# Altium PCB PCB1.PcbDoc (part 2 of 5)
Units mm, origin at the board's own origin, x right, y up, seen from the top; angles counter-clockwise.
Board outline 85 x 56 mm, 6 copper layers (Top Layer, GND, SIG_PWR, Layer 4, PWR, Bottom Layer), stack 1.549 mm thick; 170 components, 334 nets, 1426 pads, 803 vias.
Unrouted connection lines stored in the file: 7.
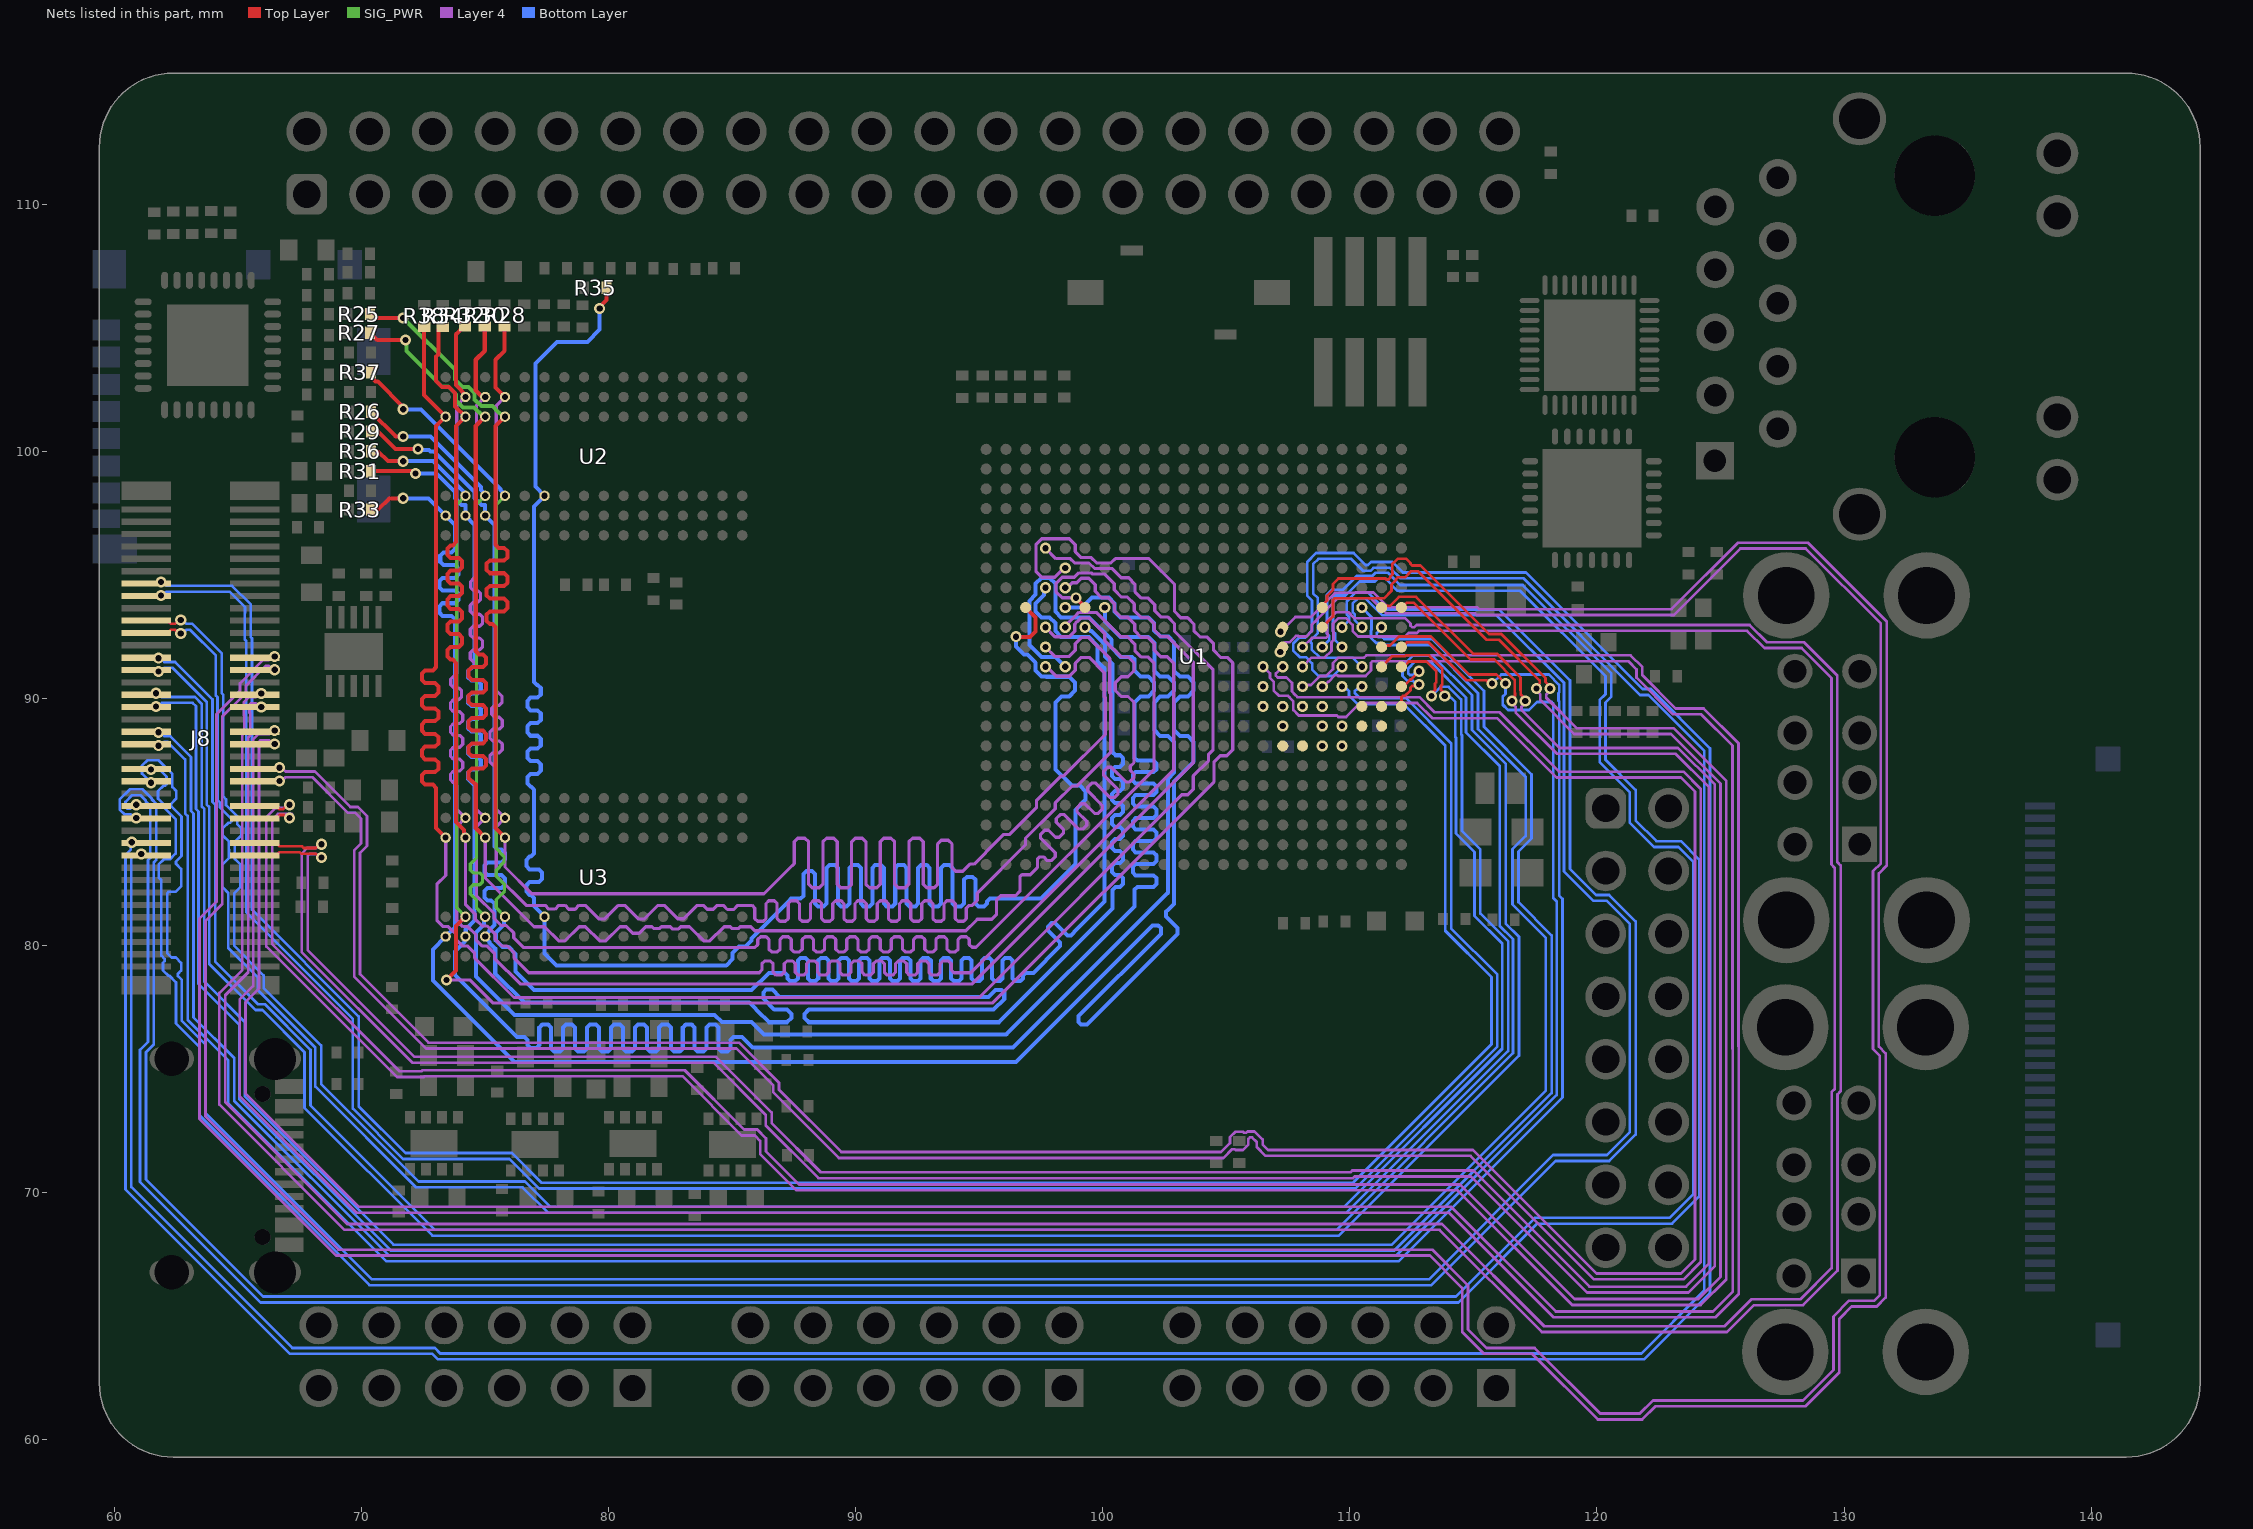
[diagram p6: the nets of this part, all layers, seen from the top]

## Via types
v1: diameter 0.45, hole 0.25, Top Layer to Bottom Layer, tented both sides, 575 vias
v2: diameter 0.4, hole 0.25, Top Layer to Bottom Layer, tented both sides, 212 vias
v3: diameter 0.5, hole 0.3, Top Layer to Bottom Layer, tented both sides, 16 vias

## Nets (pads, with @x,y where several pads share a name; then routed paths per layer and width w, separated by ;. In a path a pad name is that pad's centre, name@x,y a point inside that pad or via, vN(x,y) a via of type N, cw(c..) or ccw(c..) an arc to the next point about the centre after c; other vN are vias at no path point) (continued)
BTB_34_L3_N: J8.30 U1.L16 | length 152.2
  Layer 4 w0.11: v1(66.5,91.16) 66.417,91.16 66.266,91.311 66.128,91.311 65.332,90.515 65.332,90.215 64.38,89.263 64.38,81.68 63.7,81 63.7,73.085 69.085,67.7 113.335,67.7 114.783,66.252 114.783,64.476 115.539,63.72 117.48,63.72 120.132,61.068 121.732,61.068 122.265,61.6 128.34,61.6 129.568,62.828 129.568,64.998 130.207,65.637 131.222,65.637 131.445,65.86 131.445,75.54 131.168,75.817 131.168,83.013 131.485,83.33 131.485,93.025 128.445,96.065 125.8,96.065 123.114,93.379 115.135,93.379 115.062,93.451 111.46,93.451 110.86,94.051 110.335,94.051 110.321,94.037 109.503,94.037 108.666,93.201 108.666,93.185 108.458,92.976 108.458,92.728 108.241,92.511 107.935,92.511 107.91,92.536 107.819,92.536 107.555,92.272 107.366,92.272 107.366,92.151 107.188,91.973 v1(107.188,91.881)
BTB_34_L3_P: J8.28 U1.K16 | length 153.3
  Layer 4 w0.11: v1(66.5,91.7) 66.417,91.7 66.266,91.548 66.03,91.548 65.095,90.613 65.095,90.313 64.143,89.361 64.143,81.778 63.463,81.098 63.463,72.987 68.987,67.463 113.237,67.463 114.546,66.154 114.546,64.378 115.441,63.483 117.382,63.483 120.034,60.831 121.831,60.831 122.363,61.363 128.438,61.363 129.805,62.73 129.805,64.9 130.305,65.4 131.32,65.4 131.682,65.762 131.682,75.638 131.405,75.915 131.405,82.915 131.722,83.232 131.722,93.123 128.543,96.302 125.702,96.302 123.016,93.616 115.233,93.616 115.161,93.688 111.558,93.688 110.958,94.288 110.237,94.288 110.223,94.274 109.405,94.274 108.429,93.299 107.799,93.299 v1(107.2,92.7)
BTB_34_L4_N: J8.36 U1.M17 | length 135
  Layer 4 w0.11: v1(65.959,89.66) 65.876,89.66 65.724,89.812 65.547,89.812 65.482,89.747 65.482,89.426 65.507,89.401 65.507,88.504 65.431,88.428 65.431,78.924 64.5,77.993 64.5,73.665 69.428,68.737 113.732,68.737 117.869,64.6 125.165,64.6 126.257,65.692 128.241,65.692 129.498,66.949 129.498,74.082 129.623,74.207 129.623,83.147 129.487,83.283 129.487,90.832 128.281,92.038 126.777,92.038 126.079,92.736 112.801,92.736 112.712,92.647 112.377,92.647 112.241,92.511 110.335,92.511 110.118,92.728 110.118,92.975 109.841,93.251 109.535,93.251 109.318,93.035 109.318,92.728 109.341,92.705 109.341,92.358 109.258,92.275 109.258,91.928 108.981,91.651 108.458,91.651 v1(108.088,91.281)
BTB_34_L4_P: J8.34 U1.L17 | length 135.9
  Layer 4 w0.11: v1(65.959,90.2) 65.876,90.2 65.724,90.049 65.449,90.049 65.245,89.845 65.245,89.328 65.27,89.303 65.27,88.602 65.194,88.526 65.194,79.022 64.263,78.091 64.263,73.566 69.329,68.5 113.634,68.5 117.771,64.363 125.263,64.363 126.355,65.455 128.339,65.455 129.735,66.851 129.735,73.984 129.86,74.109 129.86,83.245 129.724,83.381 129.724,90.93 128.379,92.275 126.875,92.275 126.177,92.973 112.703,92.973 112.614,92.884 112.522,92.884 112.458,92.948 112.458,93.035 112.241,93.251 110.176,93.251 109.939,93.488 109.437,93.488 109.081,93.133 109.081,92.63 109.104,92.607 109.104,92.516 109.04,92.451 108.464,92.451 108.094,92.081 v1(108.088,92.081)
BTB_34_L5_N: J8.42 U1.N18 | length 120.3
  Layer 4 w0.11: v1(66.5,88.16) 66.417,88.16 66.266,88.312 65.931,88.312 65.867,88.247 65.867,78.267 65.32,77.72 65.32,74.02 69.91,69.43 114.105,69.43 118.335,65.2 124.7,65.2 125.5,66 125.5,75.805 125.488,75.817 125.488,88.089 124.22,89.357 123.085,89.357 121.599,90.843 121.599,91.178 121.267,91.51 110.926,91.51 110.858,91.442 110.858,91.128 110.641,90.911 109.535,90.911 109.501,90.945 109.41,90.945 109.139,90.674 109.122,90.674 108.929,90.481 v1(108.888,90.481)
BTB_34_L5_P: J8.40 U1.N17 | length 122.7
  Layer 4 w0.11: v1(66.5,88.7) 66.417,88.7 66.266,88.549 65.833,88.549 65.63,88.345 65.63,78.365 65.083,77.818 65.083,73.922 69.812,69.193 114.007,69.193 118.237,64.963 124.798,64.963 125.737,65.902 125.737,75.903 125.725,75.915 125.725,88.187 124.318,89.594 123.183,89.594 121.836,90.941 121.836,91.276 121.365,91.747 110.677,91.747 110.581,91.651 109.535,91.651 109.318,91.435 109.318,91.188 109.041,90.911 108.795,90.911 108.43,90.546 108.153,90.546 v1(108.088,90.481)
BTB_34_L6_N: J8.48 U1.M16 | length 110.5
  Layer 4 w0.11: v1(66.7,86.66) 66.783,86.66 66.934,86.812 68.026,86.812 69.465,85.373 69.765,85.373 69.995,85.143 69.995,84.128 69.718,83.851 69.718,78.747 72.627,75.838 85.185,75.838 86.67,74.353 86.67,74.07 89.329,71.411 104.892,71.411 105.246,71.765 105.337,71.765 105.372,71.73 105.678,71.73 105.895,71.947 105.895,72.181 105.959,72.245 106.051,72.245 106.237,72.059 106.237,71.849 106.592,71.493 114.89,71.493 119.883,66.5 123.5,66.5 124.2,67.2 124.2,86.335 123.498,87.037 118.463,87.037 116.059,89.441 113.435,89.441 112.825,90.051 107.884,90.051 107.794,90.142 107.794,90.145 107.658,90.281 107.658,90.635 107.441,90.851 107.083,90.851 107.006,90.928 107.006,91.019 107.269,91.281 v1(107.288,91.281)
BTB_34_L6_P: J8.46 U1.M15 | length 110.8
  Layer 4 w0.11: v1(66.7,87.2) 66.783,87.2 66.934,87.049 68.125,87.049 69.563,85.61 69.863,85.61 70.232,85.241 70.232,84.03 69.955,83.753 69.955,78.845 72.725,76.075 85.283,76.075 86.907,74.451 86.907,74.168 89.427,71.648 104.793,71.648 105.155,72.01 105.155,72.253 105.372,72.47 105.678,72.47 105.718,72.43 105.809,72.43 105.861,72.482 106.149,72.482 106.474,72.157 106.474,71.947 106.691,71.73 114.988,71.73 119.981,66.737 123.402,66.737 123.963,67.298 123.963,86.237 123.4,86.8 118.365,86.8 115.961,89.204 113.337,89.204 112.727,89.814 110.414,89.814 109.851,89.251 109.535,89.251 109.475,89.311 107.935,89.311 107.718,89.528 107.718,89.882 107.557,90.043 107.557,90.047 107.492,90.111 107.135,90.111 106.918,90.328 106.918,90.681 106.769,90.83 106.769,91.019 106.58,91.209 106.58,91.281 v1(106.488,91.281)
BTB_34_L7_N: J8.54 U1.K18 | length 114.4
  Top Layer w0.11: J8.54@65.7,85.15 66.575,85.15 66.707,85.282 66.886,85.282 67.008,85.16 v1(67.1,85.16) ; U1.K18@108.888,92.881 109.318,93.311 109.318,93.989 109.382,94.054 111.383,94.054 111.688,94.358 111.688,94.604 111.87,94.786 111.87,94.827 111.945,94.901 112.231,94.901 112.476,95.146 112.76,95.146 115.531,92.375 116.031,92.375 117.68,90.725 117.68,90.613 117.56,90.492 v1(117.56,90.4)
  Layer 4 w0.11: v1@67.2,85.33 66.63,85.33 66.4,85.1 66.4,80.065 71.547,74.918 72.434,74.918 72.474,74.957 83.093,74.957 85.493,72.557 86.026,72.557 86.382,72.201 86.382,71.668 87.713,70.337 114.463,70.337 119.1,65.7 124.1,65.7 125,66.6 125,86.563 123,88.563 119.08,88.563 117.712,89.932 117.712,90.166 117.56,90.317 v1(117.56,90.4)
BTB_34_L7_P: J8.52 U1.J18 | length 116.1
  Top Layer w0.11: J8.52@65.7,85.65 66.575,85.65 66.707,85.518 66.845,85.518 67.026,85.7 v1(67.1,85.7) ; U1.J18@108.888,93.681 108.888,93.773 109.081,93.967 109.081,94.152 109.318,94.388 109.318,94.634 109.535,94.851 111.441,94.851 111.475,94.817 111.566,94.817 111.633,94.884 111.633,94.925 111.732,95.023 111.732,95.114 111.718,95.128 111.718,95.434 111.935,95.651 112.287,95.651 112.458,95.48 112.458,95.447 112.522,95.383 112.858,95.383 115.629,92.612 116.129,92.612 117.917,90.823 117.917,90.666 118.1,90.483 v1(118.1,90.4)
  Layer 4 w0.11: v1@67.2,85.637 66.945,85.637 66.875,85.567 66.532,85.567 66.163,85.198 66.163,79.967 71.449,74.681 72.532,74.681 72.572,74.72 82.995,74.72 85.395,72.32 85.928,72.32 86.145,72.103 86.145,71.57 87.615,70.1 114.365,70.1 119.002,65.463 124.198,65.463 125.237,66.502 125.237,86.661 123.098,88.8 119.179,88.8 117.949,90.03 117.949,90.166 118.1,90.317 v1(118.1,90.4)
BTB_34_L8_N: J8.60 U1.J22 | length 106.1
  Top Layer w0.11: J8.60@65.7,83.65 66.575,83.65 66.707,83.782 67.508,83.782 67.578,83.712 68.166,83.712 68.317,83.56 v1(68.4,83.56) ; U1.J22@112.088,93.681 112.129,93.681 112.322,93.875 112.585,93.875 114.885,91.575 115.848,91.575 116.67,90.753 116.67,90.236 116.68,90.225 116.68,90.113 116.56,89.992 v1(116.56,89.9)
  Layer 4 w0.11: v1(68.4,83.56) 68.317,83.56 68.166,83.711 67.913,83.711 67.837,83.636 67.837,79.828 72.165,75.5 84.358,75.5 86.607,73.251 86.607,72.818 88.595,70.83 110.033,70.83 110.102,70.899 115.001,70.899 119.7,66.2 123.6,66.2 124.532,67.132 124.532,86.413 123.182,87.763 118.38,87.763 116.711,89.432 116.711,89.666 116.56,89.817 v1(116.56,89.9)
BTB_34_L8_P: J8.58 U1.J21 | length 108.6
  Top Layer w0.11: J8.58@65.7,84.15 66.575,84.15 66.707,84.018 67.606,84.018 67.676,83.948 68.166,83.948 68.317,84.1 v1(68.4,84.1) ; U1.J21@111.288,93.681 111.353,93.746 111.63,93.746 111.995,94.111 112.683,94.111 114.983,91.812 115.946,91.812 116.907,90.851 116.907,90.334 116.917,90.323 116.917,90.166 117.1,89.983 v1(117.1,89.9)
  Layer 4 w0.11: v1(68.4,84.1) 68.317,84.1 68.166,83.948 67.815,83.948 67.6,83.734 67.6,79.73 72.067,75.263 84.26,75.263 86.37,73.153 86.37,72.72 88.497,70.593 110.131,70.593 110.2,70.662 114.902,70.662 119.602,65.963 123.698,65.963 124.769,67.034 124.769,86.511 123.28,88 118.478,88 116.948,89.53 116.948,89.666 117.1,89.817 v1(117.1,89.9)
BTB_34_L9_N: J8.35 U1.K21 | length 100.1
  Bottom Layer w0.11: v1(61.7,89.67) 61.783,89.67 61.934,89.822 63.178,89.822 63.313,89.687 63.313,85.532 63.418,85.427 63.418,78.447 65.063,76.802 65.063,73.802 71.202,67.663 111.798,67.663 118.169,74.035 118.169,80.414 116.822,81.76 116.822,83.806 117.351,84.335 117.351,86.931 115.428,88.855 115.428,90.309 113.337,92.4 111.4,92.4 111.322,92.478 111.169,92.478 111.095,92.552 111.095,92.647 111.288,92.84 v1(111.288,92.881)
BTB_34_L9_P: J8.33 U1.J20 | length 100.7
  Bottom Layer w0.11: v1(61.7,90.21) 61.783,90.21 61.934,90.058 63.276,90.058 63.55,89.785 63.55,89.548 63.55,85.63 63.655,85.525 63.655,78.545 65.3,76.9 65.3,73.9 71.3,67.9 111.7,67.9 117.933,74.133 117.933,80.315 116.586,81.662 116.586,83.904 117.115,84.433 117.115,86.833 115.191,88.757 115.191,90.211 113.239,92.163 111.302,92.163 111.224,92.241 111.071,92.241 110.858,92.454 110.858,92.745 110.882,92.769 110.882,93.287 v1(110.488,93.681)
BTB_34_L10_N: J8.41 U1.L22 | length 99.7
  Top Layer w0.11: U1.L22@112.088,92.081 112.129,92.081 112.322,92.275 113.191,92.275 114.732,90.733 115.535,90.733 115.668,90.6 v1(115.76,90.6)
  Bottom Layer w0.11: v1(61.8,88.09) 61.883,88.09 62.034,88.242 62.171,88.242 62.877,87.537 62.877,85.351 62.981,85.246 62.981,77.001 64.627,75.356 64.627,73.621 71.021,67.227 111.979,67.227 118.606,73.854 118.606,81.893 118.47,82.029 118.47,89.889 118.446,89.913 118.446,90.223 118.47,90.247 118.47,90.553 118.053,90.97 116.13,90.97 v1(115.76,90.6)
BTB_34_L10_P: J8.39 U1.L21 | length 100.3
  Top Layer w0.11: U1.L21@111.288,92.081 111.353,92.146 111.63,92.146 111.995,92.511 113.289,92.511 114.83,90.97 115.93,90.97 116.217,90.683 116.3,90.683 v1(116.3,90.6)
  Bottom Layer w0.11: v1(61.8,88.63) 61.883,88.63 62.034,88.478 62.27,88.478 63.113,87.635 63.113,85.449 63.218,85.344 63.218,77.099 64.864,75.454 64.864,73.719 71.119,67.464 111.881,67.464 118.369,73.952 118.369,81.795 118.233,81.931 118.233,89.791 118.169,89.855 117.578,89.855 117.253,89.53 116.407,89.53 116.19,89.747 116.19,90.072 116.3,90.182 v1(116.3,90.6)
BTB_34_L11_N: J8.47 U1.K20 | length 111.5
  Bottom Layer w0.11: v1(61.5,86.59) 61.13,86.96 61.13,87.283 61.347,87.5 61.802,87.5 62.362,86.94 62.362,86.41 62.519,86.253 62.519,85.947 62.305,85.733 62.305,85.642 62.731,85.216 62.731,83.625 62.509,83.404 62.509,83.313 62.719,83.103 62.719,82.397 62.503,82.181 62.214,82.181 62.149,82.117 62.149,79.698 62.329,79.519 62.503,79.519 62.719,79.303 62.719,78.997 62.584,78.863 62.584,78.772 62.744,78.612 62.744,76.956 63.7,76 63.7,73.235 70.435,66.5 113.2,66.5 118.227,71.527 120.398,71.527 121.33,72.458 121.33,80.882 120.398,81.813 119.86,81.813 118.67,83.004 118.67,90.636 115.942,93.363 111.329,93.363 110.641,94.051 110.335,94.051 110.118,93.834 110.118,93.494 110.206,93.406 110.206,93.163 v1(110.488,92.881)
BTB_34_L11_P: J8.45 U1.K19 | length 111.2
  Bottom Layer w0.11: v1(61.5,87.13) 61.512,87.142 61.825,87.142 62.125,86.842 62.125,86.534 62.059,86.469 61.997,86.469 61.781,86.253 61.781,85.947 62.068,85.661 62.068,85.544 62.494,85.118 62.494,83.723 62.264,83.494 62.022,83.494 61.806,83.278 61.806,82.751 61.913,82.644 61.913,79.6 62.05,79.463 62.05,79.372 61.981,79.303 61.981,78.997 62.197,78.781 62.24,78.781 62.507,78.514 62.507,76.858 63.463,75.902 63.463,73.137 70.337,66.263 113.298,66.263 118.325,71.29 120.496,71.29 121.567,72.36 121.567,80.98 120.496,82.05 119.958,82.05 118.906,83.102 118.906,90.734 116.04,93.6 111.427,93.6 110.739,94.288 110.237,94.288 109.881,93.933 109.881,93.396 109.97,93.308 109.97,93.163 v1(109.688,92.881)
BTB_34_L12_N: J8.53 U1.L19 | length 123.1
  Bottom Layer w0.11: v1(60.9,85.16) 60.817,85.16 60.666,85.312 60.433,85.312 60.23,85.515 60.23,85.916 60.641,86.326 61.159,86.326 61.526,85.959 61.526,85.921 61.706,85.742 61.706,83.458 61.608,83.36 61.608,76.005 61.29,75.687 61.29,70.543 66.033,65.8 114.3,65.8 117.487,68.987 122.938,68.987 123.9,69.948 123.9,83.392 123.302,83.99 122.31,83.99 121.33,84.97 121.33,86.203 120.111,87.422 120.111,89.935 120.348,90.172 120.348,90.906 116.898,94.356 111.937,94.356 111.441,94.851 111.135,94.851 111.013,94.73 110.396,94.73 109.83,94.163 109.382,94.163 109.318,94.099 109.318,92.72 109.406,92.632 109.406,92.363 v1(109.688,92.081)
BTB_34_L12_P: J8.51 U1.L18 | length 123.5
  Bottom Layer w0.11: v1(60.9,85.7) 60.817,85.7 60.666,85.548 60.531,85.548 60.467,85.613 60.467,85.818 60.739,86.09 61.061,86.09 61.29,85.861 61.29,85.823 61.469,85.644 61.469,83.556 61.371,83.458 61.371,76.103 61.053,75.785 61.053,70.445 65.935,65.563 114.398,65.563 117.585,68.75 123.036,68.75 124.137,69.85 124.137,83.49 123.4,84.227 122.408,84.227 121.567,85.068 121.567,86.301 120.348,87.52 120.348,89.837 120.584,90.074 120.584,91.004 116.996,94.592 112.035,94.592 111.539,95.088 111.037,95.088 110.915,94.966 110.298,94.966 109.732,94.4 109.284,94.4 109.081,94.197 109.081,92.622 109.17,92.534 109.17,92.363 v1(108.888,92.081)
BTB_34_L13_N: J8.59 U1.M20 | length 128.3
  Bottom Layer w0.11: v1(61.1,83.71) 61.064,83.674 60.805,83.674 60.7,83.569 60.7,70.235 67.215,63.72 72.979,63.72 73.199,63.5 121.8,63.5 124.336,66.036 124.336,87.887 122.079,90.144 121.744,90.144 117.025,94.863 112.046,94.863 111.622,95.288 110.954,95.288 110.832,95.166 110.545,95.166 110.06,95.651 108.735,95.651 108.518,95.434 108.518,94.251 108.707,94.062 108.707,92.642 108.424,92.359 108.424,92.268 108.458,92.234 108.458,91.988 108.795,91.651 110.118,91.651 v1(110.488,91.281)
BTB_34_L13_P: J8.57 U1.M19 | length 130.9
  Bottom Layer w0.11: v1(60.718,84.182) 60.682,84.146 60.682,83.886 60.463,83.667 60.463,70.137 67.117,63.483 72.881,63.483 73.101,63.263 121.898,63.263 124.573,65.938 124.573,87.985 122.177,90.38 121.842,90.38 117.123,95.1 112.144,95.1 111.72,95.524 110.856,95.524 110.734,95.403 110.643,95.403 110.158,95.888 108.637,95.888 108.281,95.533 108.281,94.153 108.47,93.964 108.47,92.74 108.181,92.451 107.935,92.451 107.718,92.234 107.718,91.928 107.975,91.671 108.221,91.671 108.478,91.414 108.478,91.168 108.735,90.911 109.318,90.911 v1(109.688,91.281)
BTB_34_L14_N: J8.17 U1.N20 | length 94.1
  Bottom Layer w0.11: v1(61.9,94.17) 61.983,94.17 62.134,94.322 64.676,94.322 65.3,93.698 65.3,93.458 65.293,93.451 65.293,92.387 65.345,92.336 65.345,81.355 69.663,77.037 69.663,73.402 71.695,71.37 75.997,71.37 77.197,70.17 110.228,70.17 115.969,75.911 115.969,78.831 114.1,80.7 114.1,88.188 112.277,90.012 110.407,90.012 110.206,90.212 110.206,90.303 110.271,90.367 110.282,90.367 110.396,90.481 v1(110.488,90.481)
BTB_34_L14_P: J8.15 U1.N19 | length 93.7
  Bottom Layer w0.11: v1(61.9,94.71) 61.983,94.71 62.134,94.558 64.774,94.558 65.537,93.796 65.537,93.36 65.53,93.353 65.53,92.485 65.581,92.434 65.581,81.453 69.9,77.135 69.9,73.5 71.793,71.607 76.095,71.607 77.295,70.407 110.13,70.407 115.733,76.01 115.733,78.733 113.863,80.602 113.863,88.09 112.179,89.775 110.308,89.775 109.97,90.114 109.97,90.303 109.905,90.367 109.894,90.367 109.78,90.481 v1(109.688,90.481)
BTB_34_L15_N: J8.23 U1.M22 | length 95.5
  Top Layer w0.11: J8.23@61.3,92.65 62.175,92.65 62.307,92.782 62.466,92.782 62.617,92.63 v1(62.7,92.63) ; U1.M22@112.088,91.281 112.171,91.281 112.39,91.5 113.102,91.5 113.501,91.101 113.501,90.657 113.452,90.608 113.452,90.334 113.3,90.183 v1(113.3,90.1)
  Bottom Layer w0.11: v1(62.7,92.63) 62.783,92.63 62.934,92.782 63.071,92.782 64.118,91.735 64.118,90.116 64.186,90.049 64.186,85.893 64.291,85.789 64.291,85.587 64.753,85.125 64.753,85.034 64.689,84.97 64.622,84.97 64.405,84.753 64.405,84.447 64.646,84.206 64.646,83.887 64.654,83.879 64.654,83.55 64.381,83.278 64.381,82.372 64.623,82.131 64.623,79.899 65.819,78.702 65.819,78.195 68.146,75.868 68.146,74.302 72.228,70.22 76.53,70.22 77.556,69.193 109.869,69.193 116.406,75.731 116.406,80.179 115.282,81.303 115.282,83.889 114.536,84.634 114.536,88.512 114.506,88.542 114.506,89.957 113.993,90.47 113.67,90.47 v1(113.3,90.1)
BTB_34_L15_P: J8.21 U1.M21 | length 95.2
  Top Layer w0.11: J8.21@61.3,93.15 62.175,93.15 62.307,93.018 62.466,93.018 62.617,93.17 v1(62.7,93.17) ; U1.M21@111.288,91.281 111.718,91.711 112.241,91.711 112.276,91.747 113.205,91.747 113.738,91.213 113.738,90.559 113.688,90.51 113.688,90.334 113.84,90.183 v1(113.84,90.1)
  Bottom Layer w0.11: v1(62.7,93.17) 62.783,93.17 62.934,93.018 63.17,93.018 64.355,91.833 64.355,90.214 64.423,90.147 64.423,86.025 64.527,85.921 64.527,85.685 64.99,85.223 64.99,84.908 65.145,84.753 65.145,84.447 64.883,84.185 64.883,83.985 64.89,83.977 64.89,83.506 65.119,83.278 65.119,82.372 64.859,82.113 64.859,79.997 66.056,78.8 66.056,78.293 68.383,75.966 68.383,74.4 72.326,70.457 76.628,70.457 77.655,69.43 109.77,69.43 116.169,75.829 116.169,80.081 115.045,81.205 115.045,83.791 114.3,84.536 114.3,88.414 114.269,88.444 114.269,89.859 114.093,90.035 113.905,90.035 v1(113.84,90.1)
BTB_34_L16_N: J8.29 U1.P22 | length 96.7
  Top Layer w0.11: U1.P22@112.088,89.681 112.088,90.047 112.152,90.111 112.241,90.111 112.458,90.328 112.458,90.442 112.522,90.506 112.746,90.506 v1(112.8,90.56)
  Bottom Layer w0.11: v1(61.8,91.09) 61.883,91.09 62.034,91.242 62.376,91.242 63.749,89.868 63.749,85.713 63.854,85.608 63.854,79.264 65.727,77.391 66.004,77.391 67.71,75.686 67.71,73.438 72.885,68.263 109.556,68.263 116.842,75.55 116.842,80.36 116.305,80.897 116.305,87.36 114.943,88.723 114.943,90.138 113.354,91.726 112.541,91.726 112.129,91.315 112.129,90.915 112.332,90.712 112.566,90.712 112.717,90.56 v1(112.8,90.56)
BTB_34_L16_P: J8.27 U1.N22 | length 94.8
  Top Layer w0.11: U1.N22@112.088,90.481 112.162,90.481 112.449,90.768 112.485,90.768 112.8,91.083 v1(112.8,91.1)
  Bottom Layer w0.11: v1(61.8,91.63) 61.883,91.63 62.034,91.478 62.474,91.478 63.986,89.966 63.986,85.811 64.091,85.706 64.091,79.362 65.825,77.628 66.102,77.628 67.947,75.784 67.947,73.536 72.983,68.5 109.458,68.5 116.606,75.648 116.606,80.262 116.068,80.799 116.068,87.262 114.706,88.625 114.706,90.04 113.256,91.49 112.639,91.49 112.366,91.217 112.366,91.013 112.43,90.948 112.566,90.948 112.717,91.1 v1(112.8,91.1)
BTB_34_L17_N: U1.R21
BTB_34_L17_P: U1.R20
BTB_34_L18_N: U1.P21
BTB_34_L18_P: U1.P20
BTB_34_L19_N: U1.P15
  other v1: 106.488,89.681
BTB_34_L19_P: U1.N15 | length 0.1
  Layer 4 w0.11: v1@106.423,90.416 v1(106.488,90.481)
BTB_34_L20_N: U1.P18
  other v1: 108.888,89.681
BTB_34_L20_P: U1.P17
  other v1: 108.088,89.681
BTB_34_L21_N: U1.T17 | length 0
  Top Layer w0.11: U1.T17@108.085,88.081 U1.T17@108.088,88.081
BTB_34_L21_P: U1.T16 | length 0
  Top Layer w0.11: U1.T16@107.285,88.081 U1.T16@107.288,88.081
BTB_34_L22_N: U1.T19
  other v1: 109.688,88.081
BTB_34_L22_P: U1.R19
  other v1: 109.688,88.881
BTB_34_L23_N: U1.T18
  other v1: 108.888,88.081
BTB_34_L23_P: U1.R18
  other v1: 108.888,88.881
BTB_34_L24_N: U1.R16
  other v1: 107.288,88.881